# Altium PCB 云达诺CAT.1有磁阀控水表.PcbDoc (part 2 of 2)
Units mm, origin at the board's own origin, x right, y up, seen from the top; angles counter-clockwise.
Board outline 60.8 x 33.34 mm, 2 copper layers (Top Layer, Bottom Layer), stack 1.535 mm thick; 120 components, 89 nets, 436 pads, 260 vias.
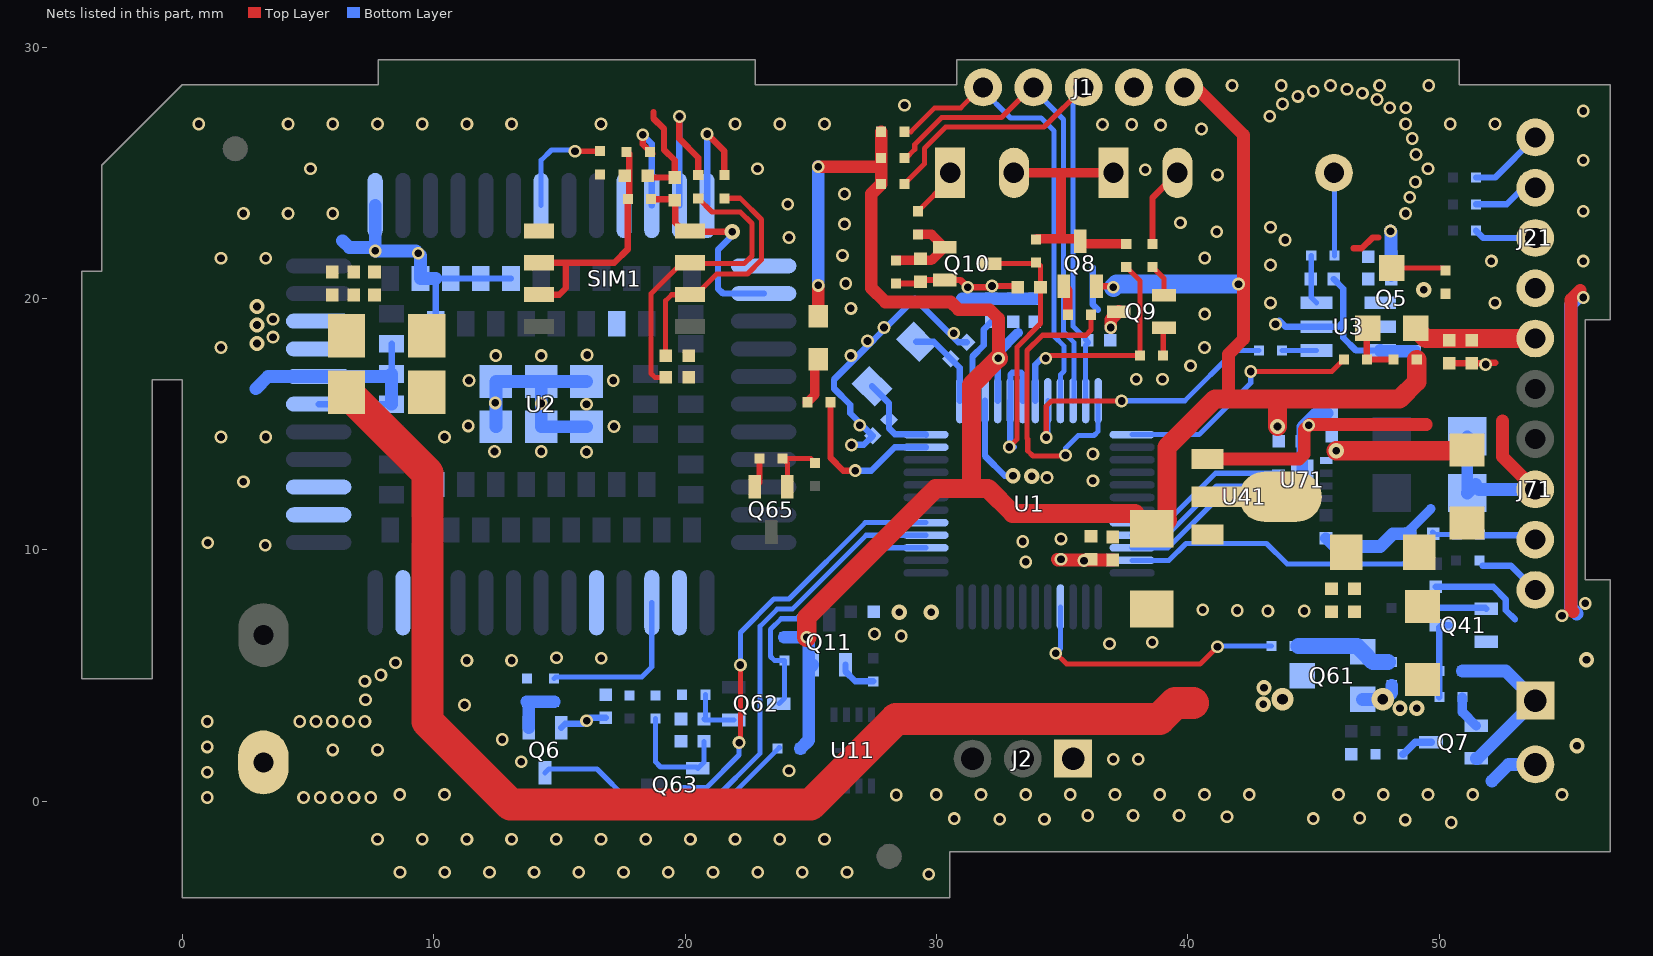
[diagram p2: the nets of this part, all layers, seen from the top]

## Via types
v1: diameter 0.508, hole 0.305, Top Layer to Bottom Layer, tented both sides, 241 vias
v2: diameter 0.61, hole 0.305, Top Layer to Bottom Layer, tented both sides, 17 vias
v3: diameter 0.889, hole 0.432, Top Layer to Bottom Layer, tented both sides, 2 vias

## Nets (pads, with @x,y where several pads share a name; then routed paths per layer and width w, separated by ;. In a path a pad name is that pad's centre, name@x,y a point inside that pad or via, vN(x,y) a via of type N, cw(c..) or ccw(c..) an arc to the next point about the centre after c; other vN are vias at no path point) (continued)
GND: C01.2 C1.2 C2.2 C3.2 C4.2 C5.2 C11.2 C21.2 C22.2 C23.2 C24.2 C25.2 C26.2 C27.2 C31.2 C32.1 C41.2 C42.2 C43.2 C44.2 C45.2 C46.2 C47.2 C48.2 C66.2 C71.2 C72.1 C73.1 C74.1 C75.2 C77.2 C78.2 C611.2 C612.2 C613.2 C614.1 E1.1 J1.2 J2.1 J21.2 J41.2 J71.3 Q6.2 Q9.3 Q10.2 Q41.2 Q65.2 R7.1 R19.1 R37.1 R45.1 R71.2 R72.2 R610.2 SIM1.1 U1.39 U2.1 U2.10 U2.27 U2.34 U2.36 U2.37 U2.40 U2.41 U2.45 U2.46 U2.47 U2.48 U2.70 U2.71 U2.72 U2.73 U2.88 U2.89 U2.90 U2.91 U2.92 U2.93 U2.94 U2.95 U3.2 U3.6 U11.4 U41.1 U71.9 | length 139.2
  Top Layer w0.203: C611.2@18.694,24.79 19.228,24.79
  Top Layer w0.254: C611.2@18.669,24.841 18.694,24.816 C614.1@19.558,24.816 ; 18.745,27.407 18.745,27.163 19.16,26.748 19.16,25.925 19.583,25.502 C614.1@19.583,24.816 ; Q65.2@22.769,12.506 22.959,12.696 R610.2@22.959,13.64 ; R37.1@28.397,20.597 29.283,20.597 C47.2@29.362,20.676 29.424,20.737 Q10.2@30.319,20.737 30.952,20.737 v1(31.242,20.447) 32.156,20.447 v1(32.207,20.498) 33.172,20.498 C48.2@33.223,20.447 ; 46.584,21.996 46.914,21.996 47.346,22.428 47.574,22.428 ; C21.2@50.394,17.424 C22.2@51.283,17.424 51.765,17.424 51.791,17.45 52.222,17.45
  Top Layer w0.508: v1@34.798,9.627 34.823,9.601 C44.2@37.008,9.601 ; v1(36.932,18.847) 36.932,19.16 Q9.3@37.253,19.482 ; U41.1@41.061,13.616 44.426,13.616 44.628,13.818 44.628,14.783 44.831,14.986 49.479,14.986 ; 52.516,15.13 52.516,13.707 J71.3@53.814,12.409 ; 55.321,7.544 55.241,7.624 55.241,19.961 55.601,20.32
  Bottom Layer w0.254: U2.40@5.425,15.799 U2.70@8.325,15.799 ; U2.71@8.325,16.999 U2.72@8.325,18.199 ; U2.73@10.075,18.999 10.075,20.79 10.084,20.799 U2.46@10.675,20.799 U2.47@11.875,20.799 U2.48@13.075,20.799 ; Q6.2@15.077,2.93 15.23,3.082 15.96,3.082 v1(16.083,3.205) 16.205,3.327 C66.2@16.84,3.327 ; 25.07,0.584 25.1,0.614 U11.4@25.92,0.614 ; v1(26.619,14.173) 26.627,14.181 27.11,14.181 C2.2@27.464,14.536 26.568,15.432 26.568,15.773 25.922,16.419 25.922,16.778 29.134,19.99 30.868,18.256 C1.2@31.21,18.256 ; U1.39@31.93,15.936 31.93,13.739 32.715,12.954 v2(33.045,12.954) ; 36.22,21.234 36.22,19.761 36.424,19.558 ; v1@43.637,19.126 43.881,18.882 U3.2@45.11,18.882 45.984,18.882 46.177,19.075 ; C31.2@45.796,20.777 46.177,20.396 46.177,19.075 ; U3.6@47.65,17.932 46.685,17.932 46.177,18.44 46.177,19.075 ; C78.2@48.082,20.777 C77.2@48.082,21.666 ; C75.2@49.86,8.534 52.141,8.534 52.643,8.032 52.643,7.605 53.01,7.239
  Bottom Layer w0.381: C74.1@48.844,10.643 48.844,10.82 49.657,11.633
  Bottom Layer w0.457: U71.9@44.552,12.802 44.552,14.91 45.085,15.443 C72.1@45.568,15.443 ; C73.1@45.491,10.465 45.771,10.185 ; 46.761,10.135 45.822,10.135 45.771,10.185 ; 46.761,10.185 45.771,10.185 ; R71.2@51.108,12.268 R72.2@51.108,14.529
  Bottom Layer w0.508: 2.921,16.408 3.411,16.899 U2.41@5.425,16.899 8.225,16.899 U2.71@8.325,16.999 U2.70@8.325,15.799 ; 6.375,22.301 6.646,22.031 7.539,22.031 v1(7.675,21.895) ; U2.1@7.675,23.699 v1(7.675,21.895) ; 10.084,20.799 U2.45@9.475,20.799 9.475,21.716 9.296,21.895 v1(7.675,21.895) ; U2.94@12.475,14.899 U2.89@12.475,16.699 U2.90@14.275,16.699 ; U2.92@16.075,14.899 U2.93@14.275,14.899 U2.90@14.275,16.699 ; U2.91@16.075,16.699 U2.90@14.275,16.699 ; 31.013,19.964 31.039,19.99 C5.2@32.182,19.99 C3.2@33.045,19.99 C4.2@33.909,19.99 ; 46.761,10.135 47.65,10.135 48.158,10.643 C74.1@48.844,10.643 ; U3.6@47.65,17.932 47.676,17.907 C32.1@49.022,17.907 ; v1(48.057,22.682) 48.082,22.657 C77.2@48.082,21.666 ; R71.2@51.108,12.268 R71.2@51.452,12.612 ; R71.2@51.579,12.409 53.433,12.409 J71.3@53.47,12.446 ; 52.095,0.813 52.752,1.469 J41.2@53.821,1.469 ; 55.22,19.736 v1@55.626,20.142
  Bottom Layer w0.533: 55.22,19.736 55.22,7.722 55.474,7.468
  other v1: 29.693,-2.896 8.661,-2.819 10.439,-2.819 12.217,-2.819 13.995,-2.819 15.773,-2.819 17.551,-2.819 19.329,-2.819 21.107,-2.819 22.885,-2.819 24.663,-2.819 26.441,-2.819 7.765,-1.508 9.543,-1.508 11.321,-1.508 13.099,-1.508 14.877,-1.508 16.655,-1.508 18.433,-1.508 20.211,-1.508 21.989,-1.508 23.767,-1.508 25.545,-1.508 50.47,-0.838 48.641,-0.737 32.512,-0.711 34.29,-0.711 30.709,-0.686 44.983,-0.686 46.838,-0.66 41.554,-0.61 36.017,-0.559 37.821,-0.559 39.649,-0.559 0.991,0.152 4.826,0.152 5.493,0.152 6.159,0.152 6.826,0.152 7.493,0.152 28.397,0.254 8.654,0.27 10.432,0.27 29.99,0.27 31.768,0.27 33.546,0.27 35.324,0.27 37.102,0.27 38.88,0.27 40.658,0.27 42.436,0.27 45.992,0.27 47.77,0.27 49.548,0.27 51.326,0.27 54.882,0.27 0.991,1.16 24.13,1.219 13.487,1.575 37.033,1.676 38.024,1.676 5.987,2.048 7.765,2.048 0.991,2.167 12.725,2.464 0.991,3.175 4.674,3.175 5.321,3.175 5.969,3.175 6.617,3.175 7.264,3.175 11.227,3.835 7.29,4.039 7.264,4.775 7.899,5.029 8.484,5.512 11.321,5.604 13.099,5.604 16.662,5.69 14.884,5.715 36.881,6.274 38.583,6.325 28.6,6.579 27.534,6.655 54.882,7.382 43.18,7.569 44.628,7.569 41.961,7.595 40.589,7.62 55.804,7.874 33.553,9.525 35.865,9.576 34.95,9.627 3.302,10.185 1.016,10.287 33.426,10.338 34.95,10.439 2.431,12.716 36.22,12.751 34.392,12.878 36.22,13.818 16.078,13.894 12.421,13.919 14.275,13.919 1.542,14.494 3.32,14.494 10.432,14.494 17.17,14.91 11.379,14.935 26.949,14.961 44.806,14.961 16.078,15.799 14.275,15.824 12.446,15.85 11.405,16.739 17.145,16.739 37.948,16.789 38.989,16.789 40.107,17.323 51.841,17.374 12.471,17.729 14.275,17.729 26.594,17.729 16.104,17.755 1.542,18.05 40.658,18.05 27.254,18.313 30.683,18.618 27.915,18.847 43.485,18.974 40.665,19.38 26.594,19.609 43.282,19.828 52.215,19.828 55.728,20.041 26.391,20.599 43.282,21.331 52.07,21.488 55.728,21.488 1.542,21.606 3.32,21.606 40.665,21.615 26.264,21.717 9.386,21.806 43.866,22.327 24.13,22.428 41.148,22.657 43.282,22.835 26.34,22.962 39.7,23.012 2.431,23.384 4.209,23.384 5.987,23.384 48.659,23.384 55.728,23.47 24.079,23.749 48.819,24.028 26.34,24.155 49.047,24.638 41.173,24.917 38.303,25.121 5.098,25.162 22.878,25.162 49.548,25.162 55.728,25.502 49.073,25.73 48.92,26.365 40.538,26.746 38.913,26.899 36.601,26.924 37.77,26.924 0.653,26.94 4.209,26.94 5.987,26.94 7.765,26.94 9.543,26.94 11.321,26.94 13.099,26.94 16.655,26.94 21.989,26.94 23.767,26.94 25.545,26.94 48.659,26.94 50.437,26.94 52.215,26.94 43.256,27.254 55.728,27.457 48.031,27.584 48.666,27.584 28.727,27.686 43.764,27.737 47.523,27.915 44.374,28.042 46.939,28.169 44.983,28.245 46.33,28.321 41.758,28.473 43.713,28.473 45.669,28.473 47.625,28.473 49.581,28.473
  other v2: 55.474,2.21 55.855,5.639 28.524,7.518 29.794,7.518 33.782,12.929
INA: U1.9 U71.6 | length 6.6
  Bottom Layer w0.203: U1.9@37.78,10.586 39.171,10.586 41.136,12.552 U71.6@43.602,12.552
INB: U1.10 U71.5 | length 6.6
  Bottom Layer w0.203: U1.10@37.78,10.086 39.209,10.086 41.175,12.052 U71.5@43.602,12.052
IR_EN: R51.1 U1.48 | length 12.2
  Top Layer w0.203: v1(35.128,13.767) 35.103,13.741 33.833,13.741 33.63,13.945 33.63,14.402 33.604,14.428 33.604,17.933 34.213,18.542 35.941,18.542 36.147,18.748 R51.1@36.147,19.355
  Bottom Layer w0.203: v1(35.128,13.767) 35.128,14.046 35.636,14.554 36.267,14.554 36.43,14.717 U1.48@36.43,15.936
IR_RX: C48.1 Q10.3 R26.1 U1.41 U1.42 | length 14.5
  Top Layer w0.203: Q10.3@32.114,21.387 33.912,21.387 R26.1@33.96,21.435 33.985,21.46 34.138,21.308 C48.1@34.138,20.447 34.138,19.005 33.198,18.065 33.198,14.402 v1(32.893,14.097)
  Bottom Layer w0.254: v1(32.893,14.097) v1@33.071,14.097 ; v1@32.918,14.097 32.93,14.109 U1.41@32.93,15.936 32.944,15.95 32.944,16.967 33.02,17.043 33.376,17.043 33.43,16.989 U1.42@33.43,15.936
IR_TX: R27.1 R30.1 U1.43 | length 9.5
  Top Layer w0.203: v1(34.341,17.628) 34.442,17.729 R30.1@38.097,17.729 38.097,20.705 R27.1@37.548,21.254
  Bottom Layer w0.254: U1.43@33.93,15.936 33.93,17.37 34.188,17.628 v1(34.341,17.628)
KEY: R210.1 U1.44 | length 12.1
  Top Layer w0.203: v1(34.366,14.478) 34.366,15.723 34.569,15.926 v1(37.363,15.926)
  Bottom Layer w0.203: v1(34.366,14.478) 34.43,14.542 U1.44@34.43,15.936 ; v1(37.363,15.926) 37.374,15.936 39.873,15.936 41.869,17.932 R210.1@42.822,17.932
KEY_EN: R50.1 U1.1 | length 9.9
  Top Layer w0.203: v1(42.498,17.097) 45.72,17.097 R50.1@46.2,17.577
  Bottom Layer w0.203: U1.1@37.78,14.586 40.444,14.586 42.498,16.64 v1(42.498,17.097)
LED: R1.2 U1.35 | length 6.6
  Top Layer w0.254: R1.2@25.784,15.875 25.784,13.662 26.289,13.157 v1(26.772,13.157)
  Bottom Layer w0.254: v1(26.772,13.157) 27.407,13.157 27.559,13.31 28.336,14.086 U1.35@29.58,14.086
M_EN: U1.8 U71.7 | length 6.6
  Bottom Layer w0.203: U1.8@37.78,11.086 39.132,11.086 41.097,13.051 U71.7@43.602,13.051
MCU_RXD: Q62.3 R64.1 U1.27 | length 11
  Bottom Layer w0.203: Q62.3@23.732,3.886 23.952,4.106 R64.1@23.952,5.611 23.549,5.611 23.399,5.76 23.399,6.842 23.821,7.264 24.42,7.264 27.242,10.086 U1.27@29.58,10.086
MCU_TXD: Q63.2 U1.28 | length 16.4
  Bottom Layer w0.203: Q63.2@20.507,0.01 21.087,0.01 22.987,1.91 22.987,3.519 22.985,3.52 22.985,6.967 23.663,7.645 24.262,7.645 27.203,10.586 U1.28@29.58,10.586
NetC31_1: C31.1 R31.2 U3.3 | length 2
  Bottom Layer w0.203: R31.2@44.904,21.717 44.904,20.038 U3.3@45.11,19.832
NetC32_2: C32.2 C77.1 C78.1 R23.1 U3.4 U3.5
  other v2: 49.378,20.345
NetC42_1: C42.1 C43.1 D42.2 U41.2
NetC47_1: C47.1 Q10.1 R28.1 R37.2 | length 3.4
  Top Layer w0.381: R37.2@28.397,21.517 29.799,21.517 Q10.1@30.319,22.037 29.803,22.552 R28.1@29.261,22.552
NetC67_2: C67.2 Q62.1 R63.1 | length 2.2
  Bottom Layer w0.203: R63.1@20.805,4.242 20.805,3.33 C67.2@20.752,3.277 20.792,3.236 Q62.1@21.937,3.236
NetC68_1: C68.1 Q63.1 R66.2 | length 4.7
  Bottom Layer w0.203: R66.2@18.821,3.299 18.821,1.575 19.025,1.372 20.445,1.372 Q63.1@20.507,1.31 20.752,1.555 C68.1@20.752,2.388
NetC611_1: C611.1 R612.2 R615.2 SIM1.2 SIM1.3 | length 9.8
  Top Layer w0.254: SIM1.3@14.193,20.153 14.997,20.153 15.248,20.404 15.248,21.423 ; SIM1.2@14.193,21.423 15.248,21.423 ; R612.2@17.726,23.952 R612.2@17.726,23.901 ; R615.2@17.777,25.756 17.777,23.952 R612.2@17.726,23.901 ; 15.248,21.423 17.181,21.423 17.726,21.968 R612.2@17.726,23.901
NetC612_1: C612.1 R614.2 SIM1.6 | length 10.1
  Top Layer w0.203: C612.1@19.228,17.729 19.228,19.914 19.467,20.153 SIM1.6@20.193,20.153 20.432,20.153 21.26,20.98 22.479,20.98 23.038,21.539 23.038,23.141 22.191,23.988 21.984,23.988 R614.2@21.565,23.988
NetC613_1: C613.1 R613.2 SIM1.7 | length 12.3
  Top Layer w0.203: C613.1@19.228,16.866 18.796,16.866 18.644,17.018 18.644,20.193 19.874,21.423 SIM1.7@20.193,21.423 20.229,21.387 22.347,21.387 22.657,21.697 22.657,22.983 22.196,23.444 21.463,23.444 21.067,23.444 R613.2@20.523,23.988
NetD1_K: D1.K R1.1 | length 1.9
  Top Layer w0.381: R1.1@24.864,15.875 25.155,16.167 25.155,17.444 D1.K@25.3,17.588
NetIR1_1: IR1.1 IR2.2 Q8.3 R26.2 R27.2 | length 10.2
  Top Layer w0.381: IR2.2@33.08,25 34.95,25 ; R26.2@33.985,22.38 35.617,22.38 Q8.3@35.712,22.285 35.823,22.174 R27.2@37.548,22.174 ; 34.95,22.428 34.95,25 ; IR1.1@37.04,25 34.95,25
NetIR1_2: IR1.2 R25.2 | length 3.2
  Top Layer w0.254: R25.2@38.589,22.174 38.589,24.009 IR1.2@39.58,25
NetIR2_1: IR2.1 R28.2 | length 2.1
  Top Layer w0.203: R28.2@29.261,23.472 30.54,24.752 IR2.1@30.54,25
NetJ21_3: J21.3 R21.1 | length 2.5
  Bottom Layer w0.254: R21.1@51.46,22.701 51.752,22.409 J21.3@53.813,22.409
NetJ21_4: J21.4 R22.1 | length 2.6
  Bottom Layer w0.254: R22.1@51.46,23.749 52.68,23.749 53.34,24.409 J21.4@53.813,24.409
NetJ21_5: J21.5 R24.1 | length 3
  Bottom Layer w0.254: R24.1@51.466,24.816 52.22,24.816 J21.5@53.813,26.409
NetJ71_4: J71.4 R73.2 | length 1.7
  Bottom Layer w0.254: R73.2@51.616,10.617 R73.2@51.621,10.612 ; R73.2@51.748,10.587 J71.4@53.433,10.587
NetJ71_5: J71.5 R74.2 | length 2.5
  Bottom Layer w0.254: 51.717,9.373 52.85,9.373 J71.5@53.814,8.409
NetKT1_1: KT1.1 R31.1 | length 3.3
  Bottom Layer w0.203: KT1.1@45.81,25.005 45.824,24.991 R31.1@45.824,21.692
NetQ5_1: Q5.1 R50.2 R77.1 | length 2.3
  Top Layer w0.254: Q5.1@47.158,18.815 47.12,18.777 R50.2@47.12,17.577 R77.1@48.181,17.577
NetQ5_3: Q5.3 R23.2 | length 2.2
  Top Layer w0.203: Q5.3@48.108,21.215 50.136,21.215 R23.2@50.241,21.11
NetQ6_1: Q6.1 R16.2 R19.2 | length 2.2
  Bottom Layer w0.254: 14.046,3.96 14.107,3.898
  Bottom Layer w0.508: Q6.1@13.777,2.93 13.777,3.898 R19.2@13.716,3.96 14.046,3.96 R16.2@14.783,3.96
NetQ7_1: Q7.1 R43.2 | length 1.4
  Bottom Layer w0.381: R43.2@50.919,4.146 50.919,3.552 Q7.1@51.464,3.007
NetQ7_3: Q7.3 R44.2 | length 1.3
  Bottom Layer w0.305: R44.2@48.541,1.875 48.558,1.875 49.04,2.357 Q7.3@49.668,2.357
NetQ8_1: Q8.1 R51.2 | length 1.2
  Top Layer w0.381: Q8.1@35.062,20.489 35.227,20.324 R51.2@35.227,19.355
NetQ9_1: Q9.1 R30.2 | length 1.1
  Top Layer w0.203: R30.2@39.017,17.729 39.017,18.8 Q9.1@39.049,18.832
NetQ9_2: Q9.2 R25.1 | length 1.3
  Top Layer w0.203: R25.1@38.589,21.254 39.049,20.795 Q9.2@39.049,20.132
NetQ11_1: Q11.1 R11.2 | length 1.5
  Bottom Layer w0.254: Q11.1@26.38,5.436 26.38,5.167 26.774,4.772 R11.2@27.483,4.772
NetQ41_1: Q41.1 R41.2 | length 2.6
  Bottom Layer w0.254: 49.285,7.696 51.83,7.696 Q41.1@51.871,7.655
NetQ41_3: Q41.3 R42.1 R43.1 | length 3.2
  Bottom Layer w0.254: R43.1@49.999,4.146 49.999,6.93 Q41.3@50.075,7.006 Q41.3@50.398,7.006
NetQ61_1: Q61.1 R61.1 R67.2 | length 3.8
  Bottom Layer w0.635: R67.2@44.399,6.172 46.727,6.172 Q61.1@46.945,5.954 47.359,5.54 R61.1@47.955,5.54
NetQ65_1: Q65.1 R69.1 R610.1 | length 2.6
  Top Layer w0.203: Q65.1@24.069,12.506 24.069,13.45 R610.1@23.879,13.64 24.996,13.64 R69.1@25.171,13.465
NetR210_2: R210.2 U3.1 | length 1.4
  Bottom Layer w0.203: R210.2@43.742,17.932 U3.1@45.11,17.932
OPEN: C74.2 R73.1 U1.11 | length 14.1
  Bottom Layer w0.203: U1.11@37.78,9.586 39.248,9.586 39.923,10.262 43.129,10.262 43.942,9.449 48.565,9.449 C74.2@49.759,10.643 ; C74.2@49.733,10.719 49.835,10.617 R73.1@50.696,10.617
PWR_EN: R67.1 U1.16 | length 11
  Top Layer w0.203: v1(34.747,5.893) 35.179,5.461 40.488,5.461 v1(41.173,6.147)
  Bottom Layer w0.203: v1(34.747,5.893) 34.93,6.076 U1.16@34.93,7.736 ; v1(41.173,6.147) 41.199,6.172 R67.1@43.33,6.172
PWRKEY: R7.2 U2.7 | length 4.3
  Top Layer w0.203: v1(15.621,25.857) 15.624,25.86 R7.2@16.612,25.86
  Bottom Layer w0.203: U2.7@14.275,23.699 14.275,25.502 14.681,25.908 15.57,25.908 v1(15.621,25.857)
RESET: C01.1 J1.3 R01.1 U1.47 | length 22.1
  Top Layer w0.203: R01.1@28.72,24.552 29.515,25.347 29.515,25.97 30.367,26.822 34.278,26.822 J1.3@35.853,28.397
  Bottom Layer w0.203: J1.3@35.853,28.397 35.776,28.397 35.433,28.054 35.433,18.898 C01.1@35.992,18.339 ; U1.47@35.93,15.936 35.93,18.136 36.043,18.248 35.934,18.357 C01.1@35.941,18.364
SIM_DTE: U2.79
STATE: R16.1 U2.25 | length 6.6
  Bottom Layer w0.203: R16.1@14.783,4.88 14.856,4.953 18.288,4.953 18.675,5.34 U2.25@18.675,7.899
STATE_MCU: Q6.3 R4.2 U1.29 | length 28.8
  Top Layer w0.203: v1(22.149,2.337) 22.2,2.388 v1(22.2,5.421)
  Bottom Layer w0.203: Q6.3@14.427,1.134 14.58,1.287 16.493,1.287 17.755,0.025 19.409,0.025 ; v1(22.149,2.337) 22.149,1.839 20.849,0.54 19.923,0.54 19.409,0.025 ; v1(22.2,5.421) 22.2,6.721 23.531,8.052 24.13,8.052 27.165,11.086 U1.29@29.58,11.086 ; R4.2@23.746,2.131 21.082,-0.533 19.937,-0.533 19.409,-0.005 19.409,0.025
SWCLK: J1.5 R3.1 U1.45 | length 18.2
  Top Layer w0.203: 28.98,26.635 29.929,27.584 30.964,27.584 J1.5@31.776,28.397
  Bottom Layer w0.203: J1.5@31.853,28.397 31.801,28.345 31.776,28.345 32.944,27.178 34.163,27.178 34.671,26.67 34.671,18.511 35.077,18.105 35.077,17.119 34.93,16.972 U1.45@34.93,15.936
SWIO: J1.4 R2.1 U1.46 | length 19.6
  Top Layer w0.203: R2.1@28.72,25.593 28.794,25.593 29.134,25.933 29.134,26.128 30.209,27.203 32.583,27.203 33.776,28.397 J1.4@33.853,28.397
  Bottom Layer w0.203: J1.4@33.776,28.397 35.052,27.122 35.052,18.669 35.462,18.259 35.462,16.006 35.412,15.955 U1.46@35.43,15.936
USIM_CLK: R614.1 U2.13 | length 4.8
  Top Layer w0.254: v1(20.875,26.547) 21.565,25.857 R614.1@21.565,24.907
  Bottom Layer w0.254: v1@20.853,26.568 v1(20.875,26.547) U2.13@20.875,23.699
USIM_DATA: R615.1 U2.11 | length 3.9
  Top Layer w0.254: v1(18.313,26.518) 18.313,26.139 R615.1@18.697,25.756
  Bottom Layer w0.254: v1(18.313,26.518) 18.675,26.156 U2.11@18.675,23.699
USIM_RST: R613.1 U2.12 | length 6.2
  Top Layer w0.254: v1(19.775,27.242) 19.775,26.352 20.523,25.603 R613.1@20.523,24.907
  Bottom Layer w0.254: U2.12@19.775,23.699 v1(19.775,27.242) v1@19.787,27.254
USIM_VDD: C614.2 R612.1 SIM1.8 U2.14 | length 8.7
  Top Layer w0.254: R612.1@18.697,23.952 19.558,23.952 19.609,23.901 19.609,23.012 19.928,22.693 SIM1.8@20.193,22.693 20.233,22.733 20.309,22.657 v2(21.869,22.657)
  Bottom Layer w0.254: v2(21.869,22.657) 21.869,22.504 21.311,21.946 21.311,20.396 21.508,20.199 U2.14@23.125,20.199
VBAT: D41.1 D42.1 D43.1 J41.1 Q7.2 R42.2 | length 6.7
  Bottom Layer w0.508: R42.2@50.919,5.187 52.643,5.187 J41.1@53.821,4.009 51.519,1.707 Q7.2@51.464,1.707
VCC: C3.1 C4.1 C21.1 C22.1 C44.1 C45.1 C46.1 C71.1 D1.A J1.1 J21.1 Q5.2 Q8.2 Q11.2 R01.2 R2.2 R3.2 R4.1 R64.2 R77.2 U1.40 U41.3 U71.8 | length 94
  Top Layer w0.254: Q8.2@36.362,20.489 36.991,20.489 v1(37.033,20.447)
  Top Layer w0.508: v1(25.3,20.523) D1.A@25.3,19.29 D1.A@25.429,19.419 ; v1(25.3,25.246) 27.75,25.246 27.8,25.197 ; R3.2@27.8,26.635 R2.2@27.8,25.593 27.8,25.197 ; v1(32.461,17.628) 32.461,19.202 32.106,19.558 30.874,19.558 30.569,19.863 27.965,19.863 27.407,20.422 27.407,24.159 R01.2@27.8,24.552 27.8,25.197 ; J1.1@39.776,28.397 40.323,28.397 42.215,26.505 42.215,18.39 41.609,17.783 41.609,16.002
  Top Layer w0.762: v1(24.841,6.528) 24.841,7.315 29.972,12.446 31.394,12.446 ; v1(32.461,17.628) 31.394,16.561 31.394,12.446 ; C46.1@37.897,11.455 33.035,11.455 32.045,12.446 31.394,12.446 ; C46.1@38.862,10.838 39.192,11.168 39.192,11.207 39.167,11.233 39.167,14.097 41.072,16.002 41.609,16.002 43.561,16.002 ; v2(43.561,14.91) 43.561,16.002 ; Q5.2@49.058,18.815 49.464,18.409 J21.1@53.813,18.409 ; R77.2@49.101,17.577 49.101,16.691 48.412,16.002 43.561,16.002
  Bottom Layer w0.254: U1.40@32.43,15.936 32.43,17.658 v1(32.461,17.628)
  Bottom Layer w0.381: v1(32.461,17.628) 32.461,17.856 33.249,18.644
  Bottom Layer w0.508: R64.2@23.952,6.531 23.955,6.528 v1(24.841,6.528) ; R4.1@24.59,2.108 24.916,2.435 Q11.2@24.916,5.272 ; v1@24.916,6.531 Q11.2@24.916,5.272 ; Q11.2@25.08,5.436 Q11.2@24.916,5.272 ; v1@25.298,25.248 v1(25.3,25.246) v1(25.3,20.523)
  Bottom Layer w0.762: v1(37.033,20.447) 37.16,20.574 v1(42.012,20.574)
VCC_4V: C23.1 C24.1 C25.1 C26.1 C27.1 Q61.3 U2.42 U2.43 | length 47.9
  Top Layer w1.27: C27.1@6.535,16.281 9.754,13.063 9.754,3.175 13.056,-0.127 24.994,-0.127 28.397,3.277 38.862,3.277 39.497,3.912 40.208,3.912
  other v1: 3.607,18.466 3.607,19.177
  other v2: 43.002,3.861 43.028,4.521 2.972,18.212 2.972,18.948 2.972,19.685
  other v3: 43.764,4.064
VCC_8837: C72.2 D43.2 U71.1 | length 5.5
  Top Layer w0.762: v2(45.898,13.945) 50.976,13.945 51.077,14.046 D43.2@51.28,13.843
VCC_M: D41.2 Q61.2 R61.2 | length 1.6
  Bottom Layer w0.508: Q61.2@46.945,4.054 47.843,4.054 48.108,4.318 R61.2@48.108,4.62
  other v2: 48.438,3.708 49.098,3.708
  other v3: 47.752,4.064
VDD15: C5.1 U1.38 | length 3.5
  Bottom Layer w0.254: U1.38@31.43,15.936 31.43,17.692 31.877,18.138 31.877,18.771 C5.1@32.182,19.075
VDD_EXT: C66.1 C67.1 C68.2 R63.2 R65.1 R66.1 U2.24
XT32KI: C1.1 U1.37 Y1.2 | length 3.5
  Bottom Layer w0.254: Y1.2@29.2,18.278 29.894,18.278 C1.1@30.563,17.609 30.93,17.242 U1.37@30.93,15.936
XT32KO: C2.1 U1.36 Y1.1 | length 3.5
  Bottom Layer w0.254: Y1.1@27.432,16.51 28.111,15.831 C2.1@28.111,15.182 28.111,14.841 28.346,14.605 29.562,14.605 U1.36@29.58,14.586
pads on no net: MARK1.0 MARK1.1 MARK2.0 MARK2.1 SIM1.4 SIM1.5 U1.3 U1.4 U1.5 U1.17 U1.23 U1.24 U1.25 U1.26 U1.32 U1.33 U2.2 U2.3 U2.4 U2.5 U2.6 U2.8 U2.9 U2.16 U2.19 U2.20 U2.21 U2.22 U2.23 U2.26 U2.28 U2.29 U2.30 U2.31 U2.32 U2.33 U2.38 U2.39 U2.44 U2.49 U2.50 U2.51 U2.52 U2.53 U2.54 U2.55 U2.56 U2.57 U2.58 U2.59 U2.60 U2.61 U2.62 U2.63 U2.64 U2.65 U2.66 U2.67 U2.68 U2.69 U2.74 U2.75 U2.76 U2.77 U2.78 U2.80 U2.81 U2.82 U2.83 U2.84 U2.85 U2.86 U2.87 U2.96 U2.97 U2.98 U2.99 U2.100 U2.101 U2.102 U2.103 U2.104 U2.105 U2.106 U2.107 U2.108 U2.109 U11.9

## Polygon pours and split planes (outlines as drawn)
GND on Top Layer "Top Layer-No Net" (solid, remove dead copper, pour order 2): 56.921,30.023 -5.613,30.023 -5.74,29.896 -5.74,-4.394 56.312,-4.394 56.871,-3.835
GND on Bottom Layer "Top Layer-No Net" (solid, remove dead copper, pour order 4): 57.125,30.404 56.998,30.531 -8.357,30.531 -8.357,-3.429 -7.137,-4.648 -5.029,-6.756 56.921,-6.756

## Keep-outs
Keep-Out Layer:
  pour cut-out: -4.2,12.25 -0.058,12.25 0,12.192 0,28.5 -4.19,28.5 -4.267,28.423
  pour cut-out: 6.985,9.855 -0.025,9.855 -0.025,-5.105 7.01,-5.105 7.01,-0.381 6.68,-0.381 -0.025,-0.381 -0.025,3.531 6.985,3.531
  lines w0.254: -4,12.25 -4,-3.835 ; -4,31.1 -4,47.185 ; -4,100.971 -4,117.056 ; -4,151.992 -4,135.907 -4,134.306 -4,-3.835 ; 55.8,44.935 55.8,53.435 ; 55.8,79.871 55.8,88.371 ; 55.8,114.806 55.8,123.306 ; 57.8,8 57.8,16.5 ; 57.8,42.935 57.8,51.435 ; 57.8,77.871 57.8,86.371 ; 57.8,147.742 57.8,156.242 ; 117.6,-1.171 117.6,-3 117.6,135.142 ; 117.6,-1.165 117.6,9.649 ; 117.6,14.25 117.6,30.335 ; 117.6,19.987 117.6,29.335 ; 117.6,33.764 117.6,31.935 117.6,34.771 ; 117.6,33.771 117.6,45.771 ; 117.6,54.271 117.6,64.271 ; 117.6,66.871 117.6,68.7 ; 117.6,68.706 117.6,80.706 ; 117.6,84.121 117.6,100.206 ; 117.6,89.206 117.6,99.206 ; 117.6,103.635 117.6,101.806 117.6,104.642 ; 117.6,103.642 117.6,115.642 ; 117.6,119.056 117.6,135.142 ; 117.6,124.142 117.6,134.142 ; 117.6,134.925 117.6,145.16 ; 117.6,136.742 117.6,135.142 ; 117.6,153.992 117.6,170.077 122.504,170.077 122.624,170.077 122.624,135.142 122.624,-3 122.62,-3 117.62,-3 ; 117.606,66.871 117.62,66.871 ; 117.606,135.142 117.606,-3 117.62,-3 ; 120.62,-3 117.62,-3 ; -4,-3.835 -9,-3.835 -8.992,-3.835 -8.992,134.306 -8.992,168.242 -4,168.242 -4,160.824 ; -4,160.824 -3.2,160.824 -3.2,165.042 0,168.242 7.8,168.242 7.8,169.242 22.8,169.242 22.8,168.242 30.8,168.242 30.8,169.242 50.8,169.242 50.8,168.242 56.8,168.242 ; -4,160.824 -4,144.619 -1.2,144.619 -1.2,156.506 0,156.506 0,135.907 21.006,135.907 30.531,135.907 30.531,137.742 51.807,137.742 56.8,137.742 ; 0,31.1 21.006,31.1 ; 0,31.1 0,51.699 -1.2,51.699 -1.2,39.812 -4,39.812 -4,56.017 -3.2,56.017 -3.2,60.235 0,63.435 7.8,63.435 7.8,64.435 22.8,64.435 22.8,63.435 30.8,63.435 30.8,64.435 50.8,64.435 50.8,63.435 56.8,63.435 ; 0,31.1 21.006,31.1 ; 0,66.035 21.006,66.035 ; 0,66.035 0,86.635 -1.2,86.635 -1.2,74.748 -4,74.748 -4,90.953 -3.2,90.953 -3.2,95.171 0,98.371 7.8,98.371 7.8,99.371 22.8,99.371 22.8,98.371 30.8,98.371 30.8,99.371 50.8,99.371 50.8,98.371 56.8,98.371 ; 0,66.035 21.006,66.035 ; 0,100.971 21.006,100.971 ; 0,100.971 0,121.57 -1.2,121.57 -1.2,109.683 -4,109.683 -4,125.888 -3.2,125.888 -3.2,130.106 0,133.306 7.8,133.306 7.8,134.306 22.8,134.306 22.8,133.306 30.8,133.306 30.8,134.306 50.8,134.306 50.8,133.306 56.8,133.306 ; 0,100.971 21.006,100.971 ; 21.006,31.1 30.531,31.1 ; 21.006,31.1 30.531,31.1 ; 21.006,66.035 30.531,66.035 30.531,67.871 51.807,67.871 56.8,67.871 ; 21.006,100.971 30.531,100.971 ; 21.006,100.971 30.531,100.971 ; 30.531,31.1 30.531,32.935 51.807,32.935 56.8,32.935 ; 30.531,100.971 30.531,102.806 51.807,102.806 56.8,102.806 ; 56.8,-2 51.807,-2 30.531,-2 30.531,-3.835 21.006,-3.835 0,-3.835 0,16.764 -1.2,16.764 -1.2,4.877 -4,4.877 -4,21.082 -3.2,21.082 -3.2,25.3 0,28.5 7.8,28.5 7.8,29.5 22.8,29.5 22.8,28.5 30.8,28.5 30.8,29.5 50.8,29.5 50.8,28.5 56.8,28.5 ; 56.8,-2 56.8,8.814 55.8,8.814 55.8,19.152 56.8,19.152 56.8,28.5 ; 56.8,-2 56.8,7.348 57.8,7.348 57.8,17.686 56.8,17.686 56.8,28.5 ; 56.8,-2 62.8,-2 62.8,-3 82.8,-3 82.8,-2 90.8,-2 90.8,-3 105.8,-3 105.8,-2 113.6,-2 116.8,1.2 116.8,5.418 117.6,5.418 117.6,21.623 114.8,21.623 114.8,9.736 113.6,9.736 113.6,30.335 ; 56.8,28.5 61.793,28.5 83.069,28.5 83.069,30.335 ; 56.8,32.935 56.8,43.749 55.8,43.749 55.8,54.087 56.8,54.087 56.8,63.435 ; 56.8,32.935 56.8,42.284 57.8,42.284 57.8,52.622 56.8,52.622 56.8,63.435 ; 56.8,32.935 62.8,32.935 62.8,31.935 82.8,31.935 82.8,32.935 90.8,32.935 90.8,31.935 105.8,31.935 105.8,32.935 113.6,32.935 116.8,36.135 116.8,40.353 117.6,40.353 117.6,56.559 114.8,56.559 114.8,44.671 113.6,44.671 113.6,65.271 ; 56.8,63.435 61.793,63.435 83.069,63.435 83.069,65.271 92.594,65.271 ; 56.8,67.871 56.8,78.685 55.8,78.685 55.8,89.022 56.8,89.022 56.8,98.371 ; 56.8,67.871 56.8,77.219 57.8,77.219 57.8,87.557 56.8,87.557 56.8,98.371 ; 56.8,67.871 62.8,67.871 62.8,66.871 82.8,66.871 82.8,67.871 90.8,67.871 90.8,66.871 105.8,66.871 105.8,67.871 113.6,67.871 116.8,71.071 116.8,75.289 117.6,75.289 117.6,91.494 114.8,91.494 114.8,79.607 113.6,79.607 113.6,100.206 ; 56.8,98.371 61.793,98.371 83.069,98.371 83.069,100.206 ; 56.8,102.806 56.8,113.62 55.8,113.62 55.8,123.958 56.8,123.958 56.8,133.306 ; 56.8,102.806 56.8,112.155 57.8,112.155 57.8,122.492 56.8,122.492 56.8,133.306 ; 56.8,102.806 62.8,102.806 62.8,101.806 82.8,101.806 82.8,102.806 90.8,102.806 90.8,101.806 105.8,101.806 105.8,102.806 113.6,102.806 116.8,106.006 116.8,110.224 117.6,110.224 117.6,126.429 114.8,126.429 114.8,114.542 113.6,114.542 113.6,135.142 92.594,135.142 83.069,135.142 83.069,133.306 61.793,133.306 56.8,133.306 ; 56.8,137.742 62.8,137.742 62.8,136.742 82.8,136.742 82.8,137.742 90.8,137.742 90.8,136.742 105.8,136.742 105.8,137.742 113.6,137.742 116.8,140.942 116.8,145.16 117.6,145.16 ; 56.8,137.742 56.8,147.09 57.8,147.09 57.8,157.428 56.8,157.428 56.8,168.242 ; 56.8,137.742 56.8,148.556 55.8,148.556 55.8,158.894 56.8,158.894 56.8,168.242 ; 56.8,168.242 61.793,168.242 83.069,168.242 83.069,170.077 ; 83.069,30.335 92.594,30.335 ; 83.069,30.335 92.594,30.335 ; 83.069,100.206 92.594,100.206 ; 83.069,100.206 92.594,100.206 ; 83.069,170.077 92.594,170.077 ; 83.069,170.077 92.594,170.077 ; 92.594,30.335 113.6,30.335 ; 92.594,30.335 113.6,30.335 ; 92.594,65.271 113.6,65.271 ; 92.594,65.271 113.6,65.271 ; 92.594,100.206 113.6,100.206 ; 92.594,100.206 113.6,100.206 ; 92.594,170.077 113.6,170.077 ; 92.594,170.077 113.6,170.077 ; 113.6,170.077 113.6,149.478 114.8,149.478 114.8,161.365 117.6,161.365 117.6,145.16 ; 117.606,31.935 117.62,31.935 117.606,31.935 ; 117.606,101.806 117.62,101.806 117.606,101.806

## Other copper
Top Layer:
  rectangle net GND: 53.467,11.76 55.321,13.183
  rectangle net GND: 40.386,13.259 41.935,14.275
  rectangle net VCC_4V: 39.776,3.251 44.577,4.928
  rectangle net VCC: 48.692,17.17 49.53,19.304
  rectangle net NetC32_2: 49.022,19.761 50.698,20.65
  region net VCC_4V: 8.077,15.215 8.077,20.498 2.515,20.498 2.515,15.215
  rectangle net VBAT: 48.412,6.96 52.502,13.005
  rectangle net NetC42_1: 42.291,10.77 47.549,13.132
  rectangle net VCC: 35.839,10.084 39.522,11.913
  rectangle net VCC_M: 47.168,3.124 50.089,6.045
  rectangle net NetC42_1: 45.415,8.153 47.549,11.76
  region net GND: 41.732,14.824 41.123,14.148 41.123,13.233 41.91,13.233 42.813,14.136
  region net VBAT: 52.923,7.464 52.502,7.962 52.502,9.12 48.463,9.021 48.463,7.976 53.518,2.921 55.042,2.921 55.042,5.345
  region net NetC42_1: 42.342,12.954 41.696,12.308 41.696,11.974 42.367,11.303 42.367,11.201
  region net VCC: 39.427,11.373 39.776,11.024 41.707,11.024 41.707,10.236 41.554,10.084 39.522,10.084 39.33,10.277
Bottom Layer:
  rectangle net GND: 9.754,18.999 10.414,20.828
  rectangle net GND: 9.5,20.574 13.183,21.031
  rectangle net GND: 12.475,14.656 14.021,15.153
  rectangle net GND: 15.821,14.899 16.281,16.662
  rectangle net GND: 53.213,11.709 55.372,13.208
  rectangle net VDD_EXT: 19.38,4.032 20.168,9.398
  rectangle net VDD_EXT: 16.408,3.759 20.269,4.674
  rectangle net VDD_EXT: 19.406,2.007 20.269,4.674
  rectangle net VCC_4V: 42.647,3.581 46.177,5.563
  rectangle net VCC: 43.358,13.386 43.866,15.443
  rectangle net VCC_8837: 45.314,13.386 45.949,14.808
  rectangle net VCC: 32.664,18.11 34.188,19.431
  rectangle net NetC32_2: 48.616,18.517 49.682,21.082
  rectangle net NetC32_2: 46.812,18.593 47.65,22.022
  rectangle net NetC32_2: 46.939,18.593 49.225,20.168
  region net VCC_4V: 6.782,17.602 6.782,19.583 2.565,19.583 2.565,17.602
  region net VCC_M: 48.616,4.115 49.479,4.115 49.479,3.378 46.609,3.378 46.406,3.581 46.431,3.607 46.431,4.572 46.714,4.855 48.343,4.855
  pour cut-out: 30.302,18.11 27.661,15.469 27.661,15.367 26.314,16.713 29.007,19.406 29.058,19.406
  region net VCC_4V: 3.328,18.795 3.048,19.075 2.794,19.075 2.565,19.304 2.565,19.812 2.769,20.015 3.301,20.015
  region net VCC_4V: 3.277,19.787 3.302,19.787 3.581,19.507 3.556,19.482 3.226,19.482

## Silkscreen, mask and mechanical layers (free items; w line width, h text height)
Top Overlay:
  text "C I R G V" at 40.945,27.534 h0.89
  text "3" at 52.587,26.187 h1.02 r90
  text "黑" at 34.061,24.511 h1.52
  text "白" at 40.513,24.467 h1.52
  text "1" at 52.599,24.16 h1.02 r90
  text "2" at 52.599,22.133 h1.02 r90
  text "G" at 52.587,20.107 h1.02 r90
  text "V" at 52.599,18.081 h1.02 r90
  text "D+" at 52.68,16.002 h1.02 r90
  text "D-" at 52.756,14.199 h1.02 r90
  text "G" at 52.728,12.152 h1.02 r90
  text "O" at 52.121,10.084 h1.02
  text "C" at 52.73,8.026 h1.02 r90
  text "+" at 51.257,3.639 h1.52
  text "G" at 35.179,2.833 h1.02
  text "T" at 31.075,2.821 h1.02
  text "R" at 33.133,2.821 h1.02
  text "WX0.011.590PCB-4.2" at 7.14,2.227 h1.52
  text "102010602-xxxx" at 7.14,1.099 h1.52
  text "-" at 51.384,0.949 h1.52
  text "WLWn-WP17" at 7.14,-0.059 h1.52
  text "2025.7.16" at 7.14,-1.228 h1.52
  text "V1" at 7.14,-2.478 h1.52
Bottom Overlay:
  text "3" at 55.61,26.772 h1.02 r90
  text "1" at 55.621,24.745 h1.02 r90
  text "2" at 55.621,22.717 h1.02 r90
  text "G" at 55.61,20.691 h1.02 r90
  text "V" at 55.621,18.665 h1.02 r90
  text "D+" at 55.601,16.713 h1.02 r90
  text "D-" at 55.601,14.6 h1.02 r90
  text "G" at 55.589,12.432 h1.02 r90
  text "O" at 55.601,9.931 h1.02
  text "C" at 55.589,8.585 h1.02 r90
Mechanical 1:
  drawing of 3140 lines, arcs and shapes, not listed